# KiCad board q2.kicad_pcb (continued)
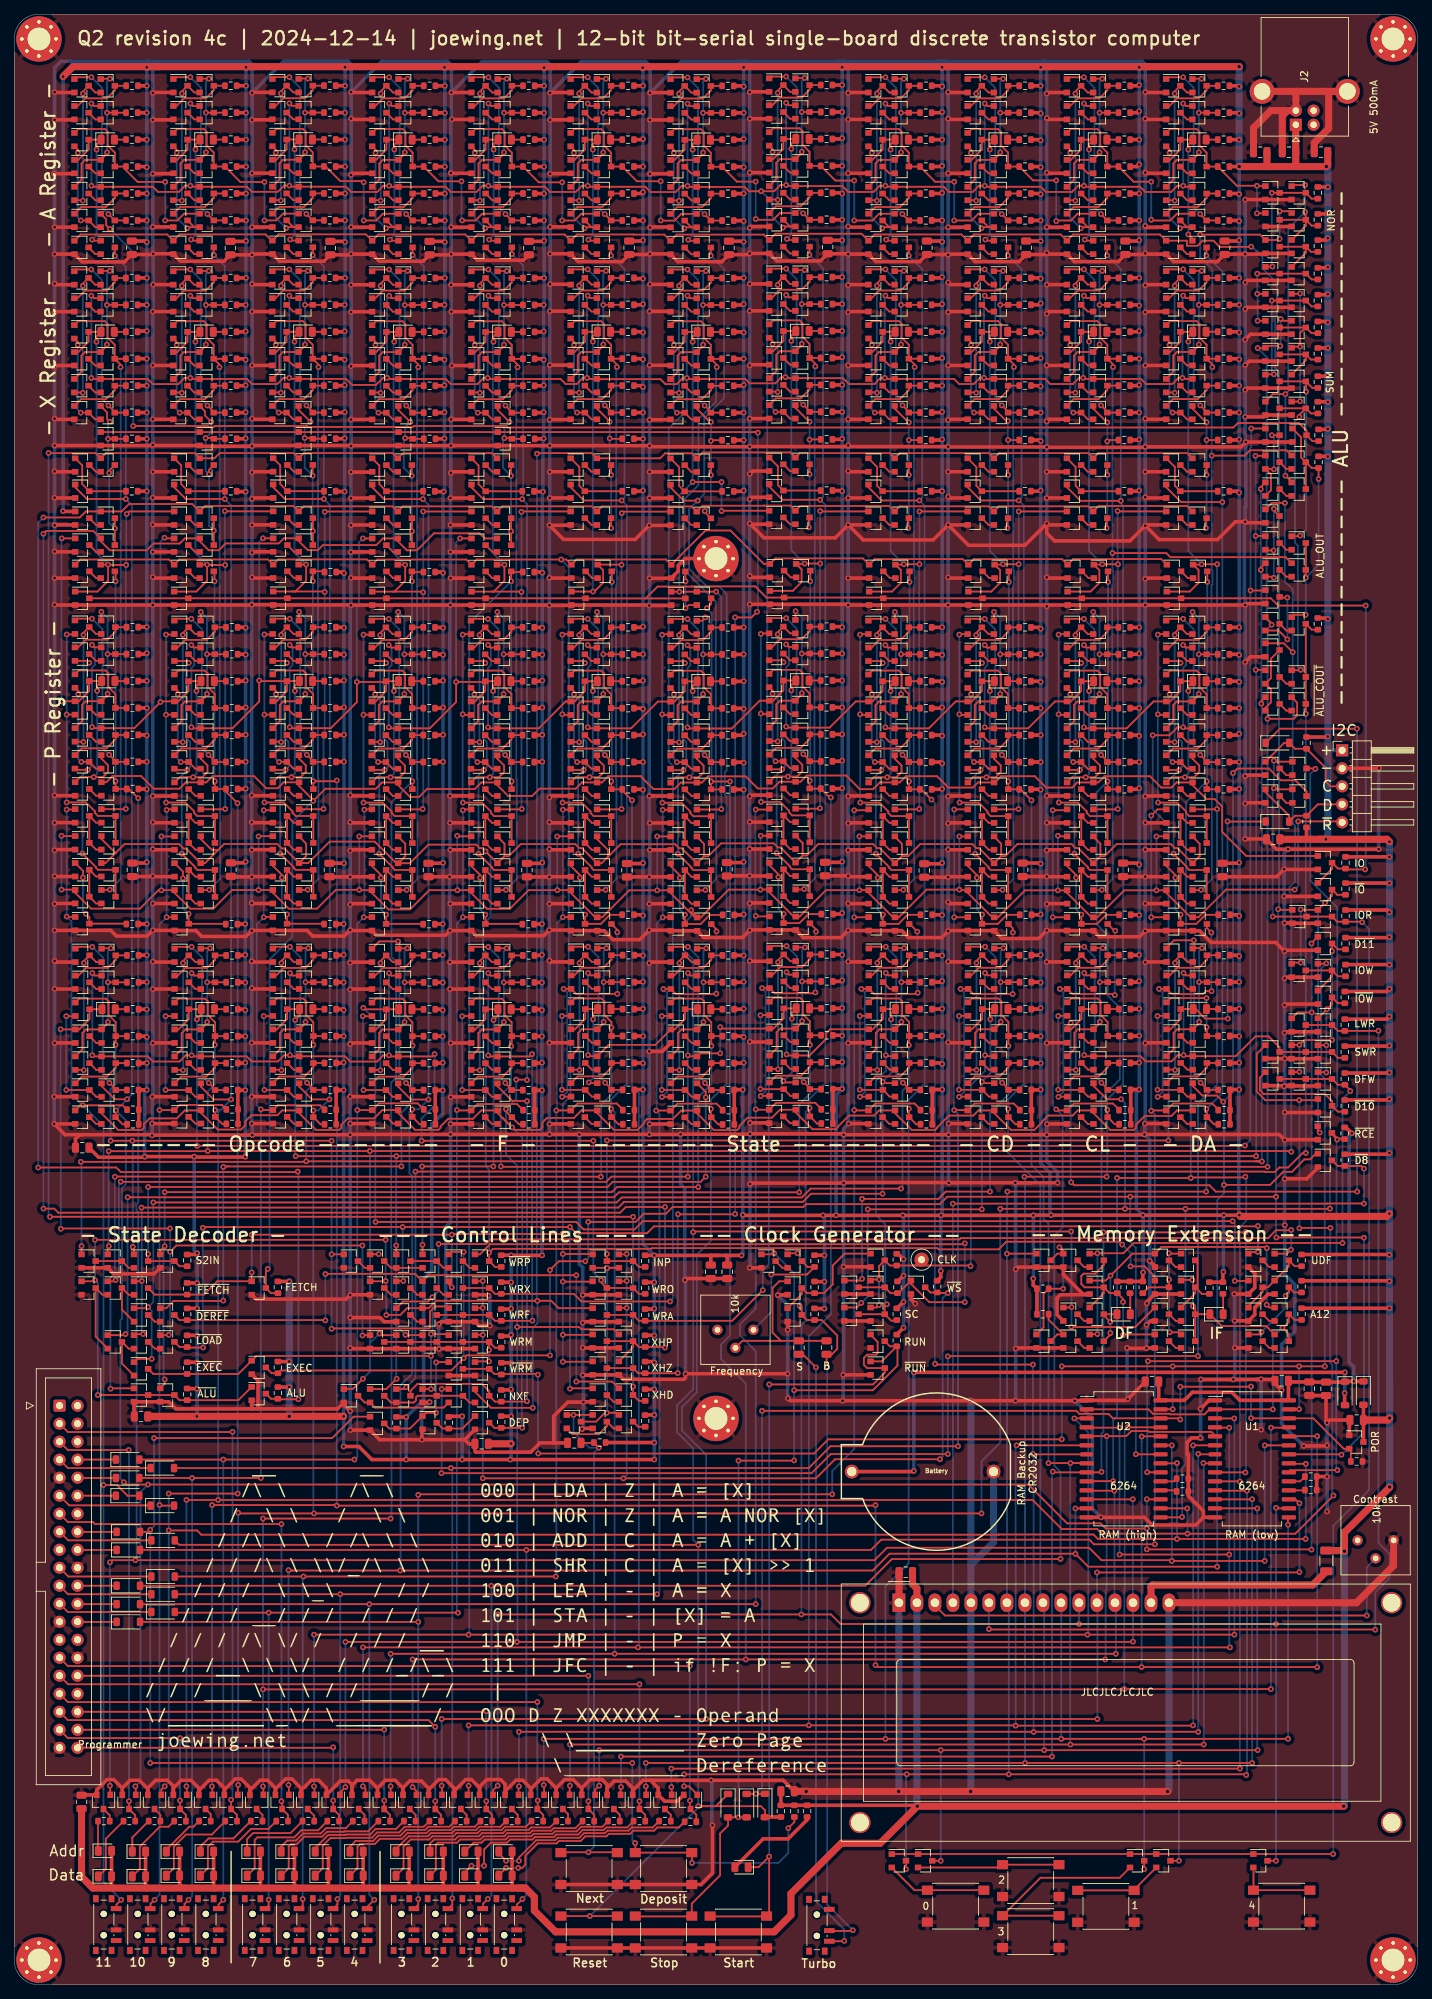
[diagram p0: board, top side]
## Routing (per net, layer and track width the routed paths; a pad name or vN(x,y) marks a point on that pad's centre or on a via; arc(x,y) is an arc through that point) (continued)
Net-(Q759-Pad2): length 2.1
  Top w0.25: Q760.3 137.45,244.15 Q759.2
Net-(Q761-Pad1): length 22.6
  Top w0.25: R341.2 Q765.3 v1(139.1,264.1) ; Q761.1 138.25,268.9 v1(139.5,268.9) ; Q769.1 135.5,254.65 135.5,256.94 136.01,257.45 Q762.1 139.1,258.35 v1(139.1,258.5)
  Bottom w0.25: v1(139.1,258.5) v1(139.1,264.1) 139.1,268.5 v1(139.5,268.9)
Net-(Q761-Pad2): length 19.8
  Top w0.25: Q761.2 137.45,266.95 Q764.3 135.7,267.1 v1(135.7,266.8) ; v1(135.7,251.7) 135.65,251.75 Q769.2
  Bottom w0.25: v1(135.7,251.7) v1(135.7,266.8)
Net-(Q761-Pad3): length 8.8
  Top w0.25: Q768.1 134.95,265.05 136.03,266.13 139.08,266.13 140.2,267.25 Q761.3 R339.2
Net-(Q762-Pad2): length 2.1
  Top w0.25: Q763.3 137.45,255.55 Q762.2
Net-(Q764-Pad1): length 25.6
  Top w0.25: R344.2 Q770.3 v1(139.3,249.8) ; Q764.1 134.75,269.1 v1(136.9,269.1)
  Bottom w0.25: v1(136.9,269.1) 138.37,267.63 138.37,250.73 v1(139.3,249.8)
Net-(Q765-Pad2): length 2.1
  Top w0.25: Q768.3 137.45,263.15 Q765.2
Net-(Q766-Pad2): length 2.1
  Top w0.25: Q769.3 137.45,251.75 Q766.2
Net-(Q766-Pad3): length 8.8
  Top w0.25: Q771.1 135.45,250.8 138.95,250.8 140.2,252.05 Q766.3 R342.2
Net-(Q767-Pad2): length 16.3
  Top w0.25: Q771.3 137.45,247.95 Q770.2 136.6,247.95 v1(136.45,247.79) ; Q767.2 134.98,258.88 v1(134.98,258.45)
  Bottom w0.25: v1(134.98,258.45) 134.98,249.26 v1(136.45,247.79)
Net-(Q772-Pad2): length 2.1
  Top w0.25: Q773.3 137.48,167.72 Q772.2
Net-(Q774-Pad2): length 8
  Top w0.25: Q774.2 137.48,156.32 Q779.3 Q778.3 137.48,152.52 Q775.2
Net-(Q776-Pad2): length 8
  Top w0.25: Q777.2 137.48,163.92 Q781.3 Q780.3 137.48,160.12 Q776.2
Net-(Q779-Pad1): length 15.2
  Top w0.25: v1(135.8,156.18) 135.8,156.56 134.53,157.84 Q779.1 ; v1(136.54,150.98) 136.54,149.68 Q782.3 138.76,149.67 140.04,150.95 141.77,150.95
  Bottom w0.25: v1(136.54,150.98) 135.8,151.72 v1(135.8,156.18)
Net-(Q783-Pad1): length 23.9
  Top w0.25: R348.2 Q787.3 v1(139.1,187.7) ; 138.25,192.5 Q783.1 138.23,192.48 v1(138.23,193.67) ; Q791.1 135.5,178.25 135.5,180.54 136.01,181.05 Q784.1 139.1,181.95 v1(139.1,182.1)
  Bottom w0.25: v1(139.1,182.1) v1(139.1,187.7) 139.1,192.8 v1(138.23,193.67)
Net-(Q783-Pad2): length 19.8
  Top w0.25: Q783.2 137.45,190.55 Q786.3 135.7,190.7 v1(135.7,190.4) ; v1(135.7,175.3) 135.65,175.35 Q791.2
  Bottom w0.25: v1(135.7,175.3) v1(135.7,190.4)
Net-(Q783-Pad3): length 8.8
  Top w0.25: Q790.1 134.95,188.65 136.03,189.73 139.08,189.73 140.2,190.85 Q783.3 R346.2
Net-(Q784-Pad2): length 2.1
  Top w0.25: Q785.3 137.45,179.15 Q784.2
Net-(Q786-Pad1): length 25.6
  Top w0.25: R351.2 Q792.3 140.2,172.63 v1(139.32,173.51) ; Q786.1 134.75,192.7 v1(136.9,192.7)
  Bottom w0.25: v1(136.9,192.7) 138.37,191.23 138.37,174.45 v1(139.32,173.51)
Net-(Q787-Pad2): length 2.1
  Top w0.25: Q790.3 137.45,186.75 Q787.2
Net-(Q788-Pad2): length 2.1
  Top w0.25: Q791.3 137.45,175.35 Q788.2
Net-(Q788-Pad3): length 8.8
  Top w0.25: Q793.1 135.45,174.4 138.95,174.4 140.2,175.65 Q788.3 R349.2
Net-(Q789-Pad2): length 14
  Top w0.25: Q792.2 137.45,171.55 Q793.3 v1(135.4,172.5) ; Q789.2 134.98,182.47 v1(134.98,182.05)
  Bottom w0.25: v1(134.98,182.05) 134.98,172.92 v1(135.4,172.5)
Net-(Q794-Pad2): length 2.1
  Top w0.25: Q797.3 137.55,198.45 Q794.2
Net-(Q795-Pad2): length 2.1
  Top w0.25: Q798.3 137.45,205.95 Q795.2
Net-(Q796-Pad2): length 2.1
  Top w0.25: Q799.3 137.45,213.45 Q796.2
Net-(Q799-Pad1): length 10.8
  Top w0.25: R353.2 Q801.3 135.72,211.48 135.72,214.13 Q799.1
Net-(Q802-Pad1): length 22.6
  Top w0.25: R356.2 Q806.3 v1(139.1,237) ; Q802.1 138.25,241.8 v1(139.5,241.8) ; Q810.1 135.5,227.55 135.5,229.84 136.01,230.35 Q803.1 139.1,231.25 v1(139.1,231.4)
  Bottom w0.25: v1(139.1,231.4) v1(139.1,237) 139.1,241.4 v1(139.5,241.8)
Net-(Q802-Pad2): length 19.8
  Top w0.25: Q802.2 137.45,239.85 Q805.3 135.7,240 v1(135.7,239.7) ; v1(135.7,224.6) 135.65,224.65 Q810.2
  Bottom w0.25: v1(135.7,224.6) v1(135.7,239.7)
Net-(Q802-Pad3): length 8.8
  Top w0.25: Q809.1 134.95,237.95 136.03,239.03 139.08,239.03 140.2,240.15 Q802.3 R354.2
Net-(Q803-Pad2): length 2.1
  Top w0.25: Q804.3 137.45,228.45 Q803.2
Net-(Q805-Pad1): length 25.6
  Top w0.25: R359.2 Q811.3 140.2,221.93 v1(139.32,222.81) ; Q805.1 134.75,242 v1(136.9,242)
  Bottom w0.25: v1(136.9,242) 138.37,240.53 138.37,223.75 v1(139.32,222.81)
Net-(Q806-Pad2): length 2.1
  Top w0.25: Q809.3 137.45,236.05 Q806.2
Net-(Q807-Pad2): length 2.1
  Top w0.25: Q810.3 137.45,224.65 Q807.2
Net-(Q807-Pad3): length 8.8
  Top w0.25: Q812.1 135.45,223.7 138.95,223.7 140.2,224.95 Q807.3 R357.2
Net-(Q808-Pad2): length 14
  Top w0.25: Q811.2 137.45,220.85 Q812.3 v1(135.4,221.8) ; Q808.2 134.98,231.77 v1(134.98,231.35)
  Bottom w0.25: v1(134.98,231.35) 134.98,222.22 v1(135.4,221.8)
Net-(Q813-Pad1): length 22.6
  Top w0.25: R362.2 Q817.3 v1(139.15,141.45) ; Q813.1 138.3,146.25 v1(139.55,146.25) ; Q821.1 135.55,132 135.55,134.29 136.06,134.8 Q814.1 139.15,135.7 v1(139.15,135.85)
  Bottom w0.25: v1(139.15,135.85) v1(139.15,141.45) 139.15,145.85 v1(139.55,146.25)
Net-(Q813-Pad2): length 19.8
  Top w0.25: Q813.2 137.5,144.3 Q816.3 135.75,144.45 v1(135.75,144.15) ; v1(135.75,129.05) 135.7,129.1 Q821.2
  Bottom w0.25: v1(135.75,129.05) v1(135.75,144.15)
Net-(Q813-Pad3): length 8.8
  Top w0.25: Q820.1 135,142.4 136.08,143.48 139.13,143.48 140.25,144.6 Q813.3 R360.2
Net-(Q814-Pad2): length 2.1
  Top w0.25: Q815.3 137.5,132.9 Q814.2
Net-(Q816-Pad1): length 25.6
  Top w0.25: R365.2 Q822.3 140.25,126.38 v1(139.37,127.26) ; Q816.1 134.8,146.45 v1(136.95,146.45)
  Bottom w0.25: v1(136.95,146.45) 138.42,144.98 138.42,128.2 v1(139.37,127.26)
Net-(Q817-Pad2): length 2.1
  Top w0.25: Q820.3 137.5,140.5 Q817.2
Net-(Q818-Pad2): length 2.1
  Top w0.25: Q821.3 137.5,129.1 Q818.2
Net-(Q818-Pad3): length 8.8
  Top w0.25: Q823.1 135.5,128.15 139,128.15 140.25,129.4 Q818.3 R363.2
Net-(Q819-Pad2): length 17.1
  Top w0.25: Q822.2 137.5,125.3 Q823.3 133.3,126.25 v1(133.28,126.27) ; v1(133.28,136.67) 133.3,136.7 Q819.2
  Bottom w0.25: v1(133.28,126.27) v1(133.28,136.67)
Net-(Q825-Pad2): length 11.2
  Top w0.25: SW2.1 SW2.1 174.82,16.53 Q825.2
Net-(Q826-Pad2): length 28.8
  Top w0.25: Q826.2 155.95,15.1 144.77,15.1 SW3.1 SW3.1
Net-(Q827-Pad2): length 20
  Top w0.25: Q827.2 139.02,16.55 SW4.1 SW4.1
Net-(Q828-Pad2): length 12.5
  Top w0.25: Q828.2 157.98,13.43 SW5.1 SW5.1
Net-(Q829-Pad2): length 14.3
  Top w0.25: SW6.1 SW6.1 127,13.35 Q829.2
Net-(Q830-Pad2): length 2.2
  Top w0.25: Q831.3 179.45,166.75 Q830.2
Net-(Q832-Pad2): length 2.2
  Top w0.25: Q832.2 179.45,170.65 Q833.3
Net-(Q834-Pad2): length 2.1
  Top w0.25: Q835.3 95.53,121.43 Q834.2
Net-(Q837-Pad2): length 2.1
  Top w0.25: Q838.3 95.53,244.13 Q837.2
Net-(Q839-Pad1): length 22.6
  Top w0.25: R374.2 Q843.3 v1(97.18,264.08) ; Q839.1 96.33,268.88 v1(97.58,268.88) ; Q847.1 93.58,254.63 93.58,256.92 94.09,257.43 Q840.1 97.18,258.33 v1(97.18,258.48)
  Bottom w0.25: v1(97.18,258.48) v1(97.18,264.08) 97.18,268.48 v1(97.58,268.88)
Net-(Q839-Pad2): length 19.8
  Top w0.25: Q839.2 95.53,266.93 Q842.3 93.78,267.08 v1(93.78,266.78) ; v1(93.78,251.68) 93.73,251.73 Q847.2
  Bottom w0.25: v1(93.78,251.68) v1(93.78,266.78)
Net-(Q839-Pad3): length 8.8
  Top w0.25: Q846.1 93.03,265.03 94.11,266.11 97.16,266.11 98.28,267.23 Q839.3 R372.2
Net-(Q840-Pad2): length 2.1
  Top w0.25: Q841.3 95.53,255.53 Q840.2
Net-(Q842-Pad1): length 25.6
  Top w0.25: R377.2 Q848.3 v1(97.38,249.78) ; Q842.1 92.83,269.08 v1(94.98,269.08)
  Bottom w0.25: v1(94.98,269.08) 96.45,267.61 96.45,250.71 v1(97.38,249.78)
Net-(Q843-Pad2): length 2.1
  Top w0.25: Q846.3 95.53,263.13 Q843.2
Net-(Q844-Pad2): length 2.1
  Top w0.25: Q847.3 95.53,251.73 Q844.2
Net-(Q844-Pad3): length 8.8
  Top w0.25: Q849.1 93.53,250.78 97.03,250.78 98.28,252.03 Q844.3 R375.2
Net-(Q845-Pad2): length 16.3
  Top w0.25: Q849.3 95.53,247.93 Q848.2 94.68,247.93 v1(94.53,247.77) ; Q845.2 93.05,258.85 v1(93.05,258.43)
  Bottom w0.25: v1(93.05,258.43) 93.05,249.24 v1(94.53,247.77)
Net-(Q850-Pad2): length 2.1
  Top w0.25: Q851.3 95.56,167.7 Q850.2
Net-(Q852-Pad2): length 8
  Top w0.25: Q852.2 95.56,156.3 Q857.3 Q856.3 95.56,152.5 Q853.2
Net-(Q854-Pad2): length 8
  Top w0.25: Q855.2 95.56,163.9 Q859.3 Q858.3 95.56,160.1 Q854.2
Net-(Q857-Pad1): length 15.2
  Top w0.25: v1(93.88,156.16) 93.88,156.54 92.61,157.82 Q857.1 ; v1(94.62,150.96) 94.62,149.66 Q860.3 96.84,149.65 98.12,150.93 99.86,150.93
  Bottom w0.25: v1(94.62,150.96) 93.88,151.7 v1(93.88,156.16)
Net-(Q861-Pad1): length 24.6
  Top w0.25: R381.2 Q865.3 v1(97.18,187.68) ; Q869.1 93.58,178.23 93.58,180.52 94.09,181.03 Q862.1 97.18,181.93 v1(97.18,182.08) ; v1(97.5,192.9) 97.03,192.43 Q861.1
  Bottom w0.25: v1(97.18,182.08) v1(97.18,187.68) 97.18,191.28 ; 97.18,191.28 97.18,192.58 v1(97.5,192.9) ; 97.18,191.28 97.18,192.78
Net-(Q861-Pad2): length 19.8
  Top w0.25: Q861.2 95.53,190.53 Q864.3 93.78,190.68 v1(93.78,190.38) ; v1(93.78,175.28) 93.73,175.33 Q869.2
  Bottom w0.25: v1(93.78,175.28) v1(93.78,190.38)
Net-(Q861-Pad3): length 8.8
  Top w0.25: Q868.1 93.03,188.63 94.11,189.71 97.16,189.71 98.28,190.83 Q861.3 R379.2
Net-(Q862-Pad2): length 2.1
  Top w0.25: Q863.3 95.53,179.13 Q862.2
Net-(Q864-Pad1): length 25.6
  Top w0.25: R384.2 Q870.3 98.28,172.61 v1(97.4,173.49) ; Q864.1 92.83,192.68 v1(94.98,192.68)
  Bottom w0.25: v1(94.98,192.68) 96.45,191.21 96.45,174.43 v1(97.4,173.49)
Net-(Q865-Pad2): length 2.1
  Top w0.25: Q868.3 95.53,186.73 Q865.2
Net-(Q866-Pad2): length 2.1
  Top w0.25: Q869.3 95.53,175.33 Q866.2
Net-(Q866-Pad3): length 8.8
  Top w0.25: Q871.1 93.53,174.38 97.03,174.38 98.28,175.63 Q866.3 R382.2
Net-(Q867-Pad2): length 14
  Top w0.25: Q870.2 95.53,171.53 Q871.3 v1(93.48,172.48) ; Q867.2 93.05,182.45 v1(93.05,182.03)
  Bottom w0.25: v1(93.05,182.03) 93.05,172.9 v1(93.48,172.48)
Net-(Q872-Pad2): length 7
  Top w0.25: v1(94.7,194.2) 95.15,194.65 Q872.2 ; v1(94.7,198) 94.68,198.02 Q875.3
  Bottom w0.25: v1(94.7,198) v1(94.7,194.2)
Net-(Q873-Pad2): length 2.1
  Top w0.25: Q876.3 95.53,205.93 Q873.2
Net-(Q874-Pad2): length 2.1
  Top w0.25: Q877.3 95.53,213.43 Q874.2
Net-(Q877-Pad1): length 10.8
  Top w0.25: R386.2 Q879.3 93.8,211.46 93.8,214.11 Q877.1
Net-(Q880-Pad1): length 22.6
  Top w0.25: R389.2 Q884.3 v1(97.18,236.98) ; Q880.1 96.33,241.78 v1(97.58,241.78) ; Q888.1 93.58,227.53 93.58,229.82 94.09,230.33 Q881.1 97.18,231.23 v1(97.18,231.38)
  Bottom w0.25: v1(97.18,231.38) v1(97.18,236.98) 97.18,241.38 v1(97.58,241.78)
Net-(Q880-Pad2): length 19.8
  Top w0.25: Q880.2 95.53,239.83 Q883.3 93.78,239.98 v1(93.78,239.68) ; v1(93.78,224.58) 93.73,224.63 Q888.2
  Bottom w0.25: v1(93.78,224.58) v1(93.78,239.68)
Net-(Q880-Pad3): length 8.8
  Top w0.25: Q887.1 93.03,237.93 94.11,239.01 97.16,239.01 98.28,240.13 Q880.3 R387.2
Net-(Q881-Pad2): length 2.1
  Top w0.25: Q882.3 95.53,228.43 Q881.2
Net-(Q883-Pad1): length 25.6
  Top w0.25: R392.2 Q889.3 98.28,221.91 v1(97.4,222.79) ; Q883.1 92.83,241.98 v1(94.98,241.98)
  Bottom w0.25: v1(94.98,241.98) 96.45,240.51 96.45,223.73 v1(97.4,222.79)
Net-(Q884-Pad2): length 2.1
  Top w0.25: Q887.3 95.53,236.03 Q884.2
Net-(Q885-Pad2): length 2.1
  Top w0.25: Q888.3 95.53,224.63 Q885.2
Net-(Q885-Pad3): length 8.8
  Top w0.25: Q890.1 93.53,223.68 97.03,223.68 98.28,224.93 Q885.3 R390.2
Net-(Q886-Pad2): length 14
  Top w0.25: Q889.2 95.53,220.83 Q890.3 v1(93.48,221.78) ; Q886.2 93.05,231.75 v1(93.05,231.33)
  Bottom w0.25: v1(93.05,231.33) 93.05,222.2 v1(93.48,221.78)
Net-(Q891-Pad1): length 22.6
  Top w0.25: 99.9,141.43 Q895.3 v1(97.23,141.43) ; Q891.1 96.38,146.23 v1(97.63,146.23) ; Q899.1 93.63,131.98 93.63,134.27 94.14,134.78 Q892.1 97.23,135.68 v1(97.23,135.83)
  Bottom w0.25: v1(97.23,135.83) v1(97.23,141.43) 97.23,145.83 v1(97.63,146.23)
Net-(Q891-Pad2): length 19.8
  Top w0.25: Q891.2 95.58,144.28 Q894.3 93.83,144.43 v1(93.83,144.13) ; v1(93.83,129.03) 93.78,129.08 Q899.2
  Bottom w0.25: v1(93.83,129.03) v1(93.83,144.13)
Net-(Q891-Pad3): length 8.8
  Top w0.25: Q898.1 93.08,142.38 94.16,143.46 97.21,143.46 98.33,144.58 Q891.3 99.9,145.23
Net-(Q892-Pad2): length 2.1
  Top w0.25: Q893.3 95.58,132.88 Q892.2
Net-(Q894-Pad1): length 25.6
  Top w0.25: 99.9,126.23 Q900.3 98.33,126.36 v1(97.45,127.24) ; Q894.1 92.88,146.43 v1(95.03,146.43)
  Bottom w0.25: v1(95.03,146.43) 96.5,144.96 96.5,128.18 v1(97.45,127.24)
Net-(Q895-Pad2): length 2.1
  Top w0.25: Q898.3 95.58,140.48 Q895.2
Net-(Q896-Pad2): length 2.1
  Top w0.25: Q899.3 95.58,129.08 Q896.2
Net-(Q896-Pad3): length 8.8
  Top w0.25: Q901.1 93.58,128.13 97.08,128.13 98.33,129.38 Q896.3 99.9,130.03
Net-(Q897-Pad2): length 17.1
  Top w0.25: Q900.2 95.58,125.28 Q901.3 91.38,126.23 v1(91.36,126.25) ; v1(91.36,136.65) 91.38,136.68 Q897.2
  Bottom w0.25: v1(91.36,126.25) v1(91.36,136.65)
Net-(Q902-Pad2): length 2.1
  Top w0.25: Q903.3 81.45,121.45 Q902.2
Net-(Q905-Pad2): length 2.1
  Top w0.25: Q906.3 81.45,244.15 Q905.2
Net-(Q907-Pad1): length 22.6
  Top w0.25: R404.2 Q911.3 v1(83.1,264.1) ; Q907.1 82.25,268.9 v1(83.5,268.9) ; Q915.1 79.5,254.65 79.5,256.94 80.01,257.45 Q908.1 83.1,258.35 v1(83.1,258.5)
  Bottom w0.25: v1(83.1,258.5) v1(83.1,264.1) 83.1,268.5 v1(83.5,268.9)
Net-(Q907-Pad2): length 19.8
  Top w0.25: Q907.2 81.45,266.95 Q910.3 79.7,267.1 v1(79.7,266.8) ; v1(79.7,251.7) 79.65,251.75 Q915.2
  Bottom w0.25: v1(79.7,251.7) v1(79.7,266.8)
Net-(Q907-Pad3): length 8.8
  Top w0.25: Q914.1 78.95,265.05 80.03,266.13 83.08,266.13 84.2,267.25 Q907.3 R402.2
Net-(Q908-Pad2): length 2.1
  Top w0.25: Q909.3 81.45,255.55 Q908.2
Net-(Q910-Pad1): length 25.6
  Top w0.25: R407.2 Q916.3 v1(83.3,249.8) ; Q910.1 78.75,269.1 v1(80.9,269.1)
  Bottom w0.25: v1(80.9,269.1) 82.37,267.63 82.37,250.73 v1(83.3,249.8)
Net-(Q911-Pad2): length 2.1
  Top w0.25: Q914.3 81.45,263.15 Q911.2
Net-(Q912-Pad2): length 2.1
  Top w0.25: Q915.3 81.45,251.75 Q912.2
Net-(Q912-Pad3): length 8.8
  Top w0.25: Q917.1 79.45,250.8 82.95,250.8 84.2,252.05 Q912.3 R405.2
Net-(Q913-Pad2): length 16.3
  Top w0.25: Q917.3 81.45,247.95 Q916.2 80.6,247.95 v1(80.45,247.79) ; Q913.2 78.98,258.88 v1(78.98,258.45)
  Bottom w0.25: v1(78.98,258.45) 78.98,249.26 v1(80.45,247.79)
Net-(Q918-Pad2): length 2.1
  Top w0.25: Q919.3 81.48,167.72 Q918.2
Net-(Q920-Pad2): length 8
  Top w0.25: Q920.2 81.48,156.32 Q925.3 Q924.3 81.48,152.52 Q921.2
Net-(Q922-Pad2): length 8
  Top w0.25: Q923.2 81.48,163.92 Q927.3 Q926.3 81.48,160.12 Q922.2
Net-(Q925-Pad1): length 15.2
  Top w0.25: v1(79.8,156.18) 79.8,156.56 78.53,157.84 Q925.1 ; v1(80.54,150.98) 80.54,149.68 Q928.3 82.76,149.67 84.04,150.95 R408.2
  Bottom w0.25: v1(80.54,150.98) 79.8,151.72 v1(79.8,156.18)
Net-(Q929-Pad1): length 23.9
  Top w0.25: R411.2 Q933.3 v1(83.1,187.7) ; 82.25,192.5 Q929.1 82.23,192.48 v1(82.23,193.67) ; Q937.1 79.5,178.25 79.5,180.54 80.01,181.05 Q930.1 83.1,181.95 v1(83.1,182.1)
  Bottom w0.25: v1(83.1,182.1) v1(83.1,187.7) 83.1,192.8 v1(82.23,193.67)
Net-(Q929-Pad2): length 19.8
  Top w0.25: Q929.2 81.45,190.55 Q932.3 79.7,190.7 v1(79.7,190.4) ; v1(79.7,175.3) 79.65,175.35 Q937.2
  Bottom w0.25: v1(79.7,175.3) v1(79.7,190.4)
Net-(Q929-Pad3): length 8.8
  Top w0.25: Q936.1 78.95,188.65 80.03,189.73 83.08,189.73 84.2,190.85 Q929.3 R409.2
Net-(Q930-Pad2): length 2.1
  Top w0.25: Q931.3 81.45,179.15 Q930.2
Net-(Q932-Pad1): length 25.6
  Top w0.25: R414.2 Q938.3 84.2,172.63 v1(83.32,173.51) ; Q932.1 78.75,192.7 v1(80.9,192.7)
  Bottom w0.25: v1(80.9,192.7) 82.37,191.23 82.37,174.45 v1(83.32,173.51)
Net-(Q933-Pad2): length 2.1
  Top w0.25: Q936.3 81.45,186.75 Q933.2
Net-(Q934-Pad2): length 2.1
  Top w0.25: Q937.3 81.45,175.35 Q934.2
Net-(Q934-Pad3): length 8.8
  Top w0.25: Q939.1 79.45,174.4 82.95,174.4 84.2,175.65 Q934.3 R412.2
Net-(Q935-Pad2): length 14
  Top w0.25: Q938.2 81.45,171.55 Q939.3 v1(79.4,172.5) ; Q935.2 78.98,182.47 v1(78.98,182.05)
  Bottom w0.25: v1(78.98,182.05) 78.98,172.92 v1(79.4,172.5)
Net-(Q940-Pad2): length 2.1
  Top w0.25: Q940.2 81.55,198.45 Q943.3
Net-(Q941-Pad2): length 2.1
  Top w0.25: Q941.2 81.45,205.95 Q944.3
Net-(Q942-Pad2): length 2.1
  Top w0.25: Q945.3 81.45,213.45 Q942.2
Net-(Q945-Pad1): length 10.8
  Top w0.25: Q945.1 79.72,214.13 79.72,211.48 Q947.3 R416.2
Net-(Q948-Pad1): length 22.6
  Top w0.25: R419.2 Q952.3 v1(83.1,237) ; Q948.1 82.25,241.8 v1(83.5,241.8) ; Q956.1 79.5,227.55 79.5,229.84 80.01,230.35 Q949.1 83.1,231.25 v1(83.1,231.4)
  Bottom w0.25: v1(83.1,231.4) v1(83.1,237) 83.1,241.4 v1(83.5,241.8)
Net-(Q948-Pad2): length 19.8
  Top w0.25: Q948.2 81.45,239.85 Q951.3 79.7,240 v1(79.7,239.7) ; v1(79.7,224.6) 79.65,224.65 Q956.2
  Bottom w0.25: v1(79.7,224.6) v1(79.7,239.7)
Net-(Q948-Pad3): length 8.8
  Top w0.25: Q955.1 78.95,237.95 80.03,239.03 83.08,239.03 84.2,240.15 Q948.3 R417.2
Net-(Q949-Pad2): length 2.1
  Top w0.25: Q950.3 81.45,228.45 Q949.2
Net-(Q951-Pad1): length 25.6
  Top w0.25: R422.2 Q957.3 84.2,221.93 v1(83.32,222.81) ; Q951.1 78.75,242 v1(80.9,242)
  Bottom w0.25: v1(80.9,242) 82.37,240.53 82.37,223.75 v1(83.32,222.81)
Net-(Q952-Pad2): length 2.1
  Top w0.25: Q955.3 81.45,236.05 Q952.2
Net-(Q953-Pad2): length 2.1
  Top w0.25: Q956.3 81.45,224.65 Q953.2
Net-(Q953-Pad3): length 8.8
  Top w0.25: Q958.1 79.45,223.7 82.95,223.7 84.2,224.95 Q953.3 R420.2
Net-(Q954-Pad2): length 14
  Top w0.25: Q957.2 81.45,220.85 Q958.3 v1(79.4,221.8) ; Q954.2 78.98,231.77 v1(78.98,231.35)
  Bottom w0.25: v1(78.98,231.35) 78.98,222.22 v1(79.4,221.8)
Net-(Q959-Pad1): length 22.6
  Top w0.25: R425.2 Q963.3 v1(83.15,141.45) ; Q959.1 82.3,146.25 v1(83.55,146.25) ; Q967.1 79.55,132 79.55,134.29 80.06,134.8 Q960.1 83.15,135.7 v1(83.15,135.85)
  Bottom w0.25: v1(83.15,135.85) v1(83.15,141.45) 83.15,145.85 v1(83.55,146.25)
Net-(Q959-Pad2): length 19.8
  Top w0.25: Q959.2 81.5,144.3 Q962.3 79.75,144.45 v1(79.75,144.15) ; v1(79.75,129.05) 79.7,129.1 Q967.2
  Bottom w0.25: v1(79.75,129.05) v1(79.75,144.15)
Net-(Q959-Pad3): length 8.8
  Top w0.25: Q966.1 79,142.4 80.08,143.48 83.13,143.48 84.25,144.6 Q959.3 R423.2
Net-(Q960-Pad2): length 2.1
  Top w0.25: Q961.3 81.5,132.9 Q960.2
Net-(Q962-Pad1): length 25.6
  Top w0.25: R428.2 Q968.3 84.25,126.38 v1(83.37,127.26) ; Q962.1 78.8,146.45 v1(80.95,146.45)
  Bottom w0.25: v1(80.95,146.45) 82.42,144.98 82.42,128.2 v1(83.37,127.26)
Net-(Q963-Pad2): length 2.1
  Top w0.25: Q966.3 81.5,140.5 Q963.2
Net-(Q964-Pad2): length 2.1
  Top w0.25: Q967.3 81.5,129.1 Q964.2
Net-(Q964-Pad3): length 8.8
  Top w0.25: Q969.1 79.5,128.15 83,128.15 84.25,129.4 Q964.3 R426.2
Net-(Q965-Pad2): length 17.1
  Top w0.25: Q968.2 81.5,125.3 Q969.3 77.3,126.25 v1(77.28,126.27) ; v1(77.28,136.67) 77.3,136.7 Q965.2
  Bottom w0.25: v1(77.28,126.27) v1(77.28,136.67)
Net-(Q970-Pad3): length 2.1
  Top w0.25: Q970.3 13.47,23.92 R429.2
Net-(Q971-Pad3): length 2
  Top w0.25: Q971.3 20.62,23.97 R430.2
Net-(Q972-Pad3): length 2
  Top w0.25: R431.2 27.72,24.07 Q972.3
Net-(Q973-Pad3): length 2
  Top w0.25: Q973.3 35.02,23.97 35.02,23.1
Net-(Q974-Pad3): length 2
  Top w0.25: R433.2 56.62,23.97 Q974.3
Net-(Q975-Pad3): length 2
  Top w0.25: R434.2 63.83,23.97 Q975.3
Net-(Q976-Pad3): length 2
  Top w0.25: 71.02,23.1 71.02,23.97 Q976.3
Net-(Q977-Pad3): length 2.1
  Top w0.25: Q977.3 42.33,23.88 R436.2
Net-(Q978-Pad3): length 2
  Top w0.25: R437.2 49.42,23.97 Q978.3
Net-(Q979-Pad3): length 2
  Top w0.25: Q979.3 78.12,24.07 R438.2
Net-(Q980-Pad3): length 2
  Top w0.25: R439.2 85.42,23.97 Q980.3
Net-(Q981-Pad3): length 2
  Top w0.25: R440.2 92.62,23.97 Q981.3
Net-(Q994-Pad2): length 2.1
  Top w0.25: Q999.3 177.05,101.25 Q994.2
Net-(Q1000-Pad3): length 2.1
  Top w0.25: Q996.2 177.05,93.65 Q1000.3
Net-(Q1001-Pad3): length 10.1
  Top w0.25: Q1001.3 167.52,97.47 R458.2 ; Q1001.3 166.93,98.73 166.93,101.87 Q998.3 ; Q1001.3 166.6,97.55 Q1002.1
Net-(Q1002-Pad2): length 2.1
  Top w0.25: Q1006.3 163.85,93.65 Q1002.2
Net-(Q1003-Pad3): length 19.8
  Top w0.25: R456.2 160.02,98.4 Q1003.3 v1(162.9,99.5) ; v1(163,92.05) 164.3,92.05 Q997.1 ; Q998.1 162.95,103.15 v1(162.9,103.2)
  Bottom w0.25: v1(163,92.05) 162.9,92.15 v1(162.9,99.5) v1(162.9,103.2)
Net-(Q1004-Pad3): length 2.1
  Top w0.25: Q1004.3 163.85,89.85 Q997.2
Net-(Q1005-Pad3): length 2.1
  Top w0.25: Q1005.3 163.85,101.25 Q998.2
Net-(Q1007-Pad2): length 2.1
  Top w0.25: Q1007.2 177.05,89.85 Q1009.3
Net-(Q1010-Pad2): length 2.1
  Top w0.25: Q1014.3 150.95,89.85 Q1010.2
Net-(Q1011-Pad2): length 2.1
  Top w0.25: Q1011.2 150.95,101.25 Q1015.3
Net-(Q1013-Pad2): length 2.1
  Top w0.25: Q1013.2 150.95,93.65 Q1016.3
Net-(R282-Pad2): length 2.3
  Top w0.25: R282.2 182.03,69.75 U1.18
Net-(R283-Pad2): length 2.3
  Top w0.25: 161.71,69.75 163.82,69.75 R283.2
Net-(R284-Pad2): length 2.5
  Top w0.25: R284.2 181.4,71.02 U1.19
Net-(R285-Pad2): length 2.4
  Top w0.25: R285.2 163.6,71.02 161.71,71.02

## Copper pours and planes (outline as drawn; the poured copper is in the pictures)
GND on Top: 198,278 198,0 0,0 0,278
GND on Bottom: 198,278 198,0 0,0 0,278

## Text on the board
F.Silkscreen: ~{ALU} | S2IN | ~{LOAD} | ~{EXEC} | ~{DEREF} | ~{FETCH} | ALU | EXEC | FETCH | NXF | DEP | ~{WRP} | WRX | WRF | WRM | ~{WRM} | INP | XHP | XHZ | WRO | WRA | XHD | Frequency | S | B | SC | RUN | ~{RUN} | 0 | ~{WS} | 3 | 2 | JLCJLCJLCJLC | RAM (high) | 1 | RAM (low) | 4 | A12 | UDF | IO | ~{IO} | ~{D8} | IOR | IOW | ~{IOW} | ~{RCE} | ~{D11} | ~{D10} | LWR | DFW | SWR | Contrast | RAM Backup / CR2032 | ALU_OUT | ~{ALU_COUT} | SUM | NOR | 5V 500mA | POR | 11 | 10 | 9 | 8 | 7 | 6 | 5 | Next | Reset | Deposit | Stop | Start | Turbo | ~{R} | Data | Addr | + | - | C | D | I2C | DF | IF | Q2 revision 4c | 2024-12-14 | joewing.net | 12-bit bit-serial single-board discrete transistor computer | - State Decoder - | ------- Opcode ------- | - F - | --- Control Lines --- | -------- State -------- | -- Clock Generator -- | - CD - | - CL - | -- Memory Extension -- | - DA - | - A Register - | - X Register - | - P Register - | ------------- ALU -------------
